# Allegro board FPGA-M1.brd (continued)
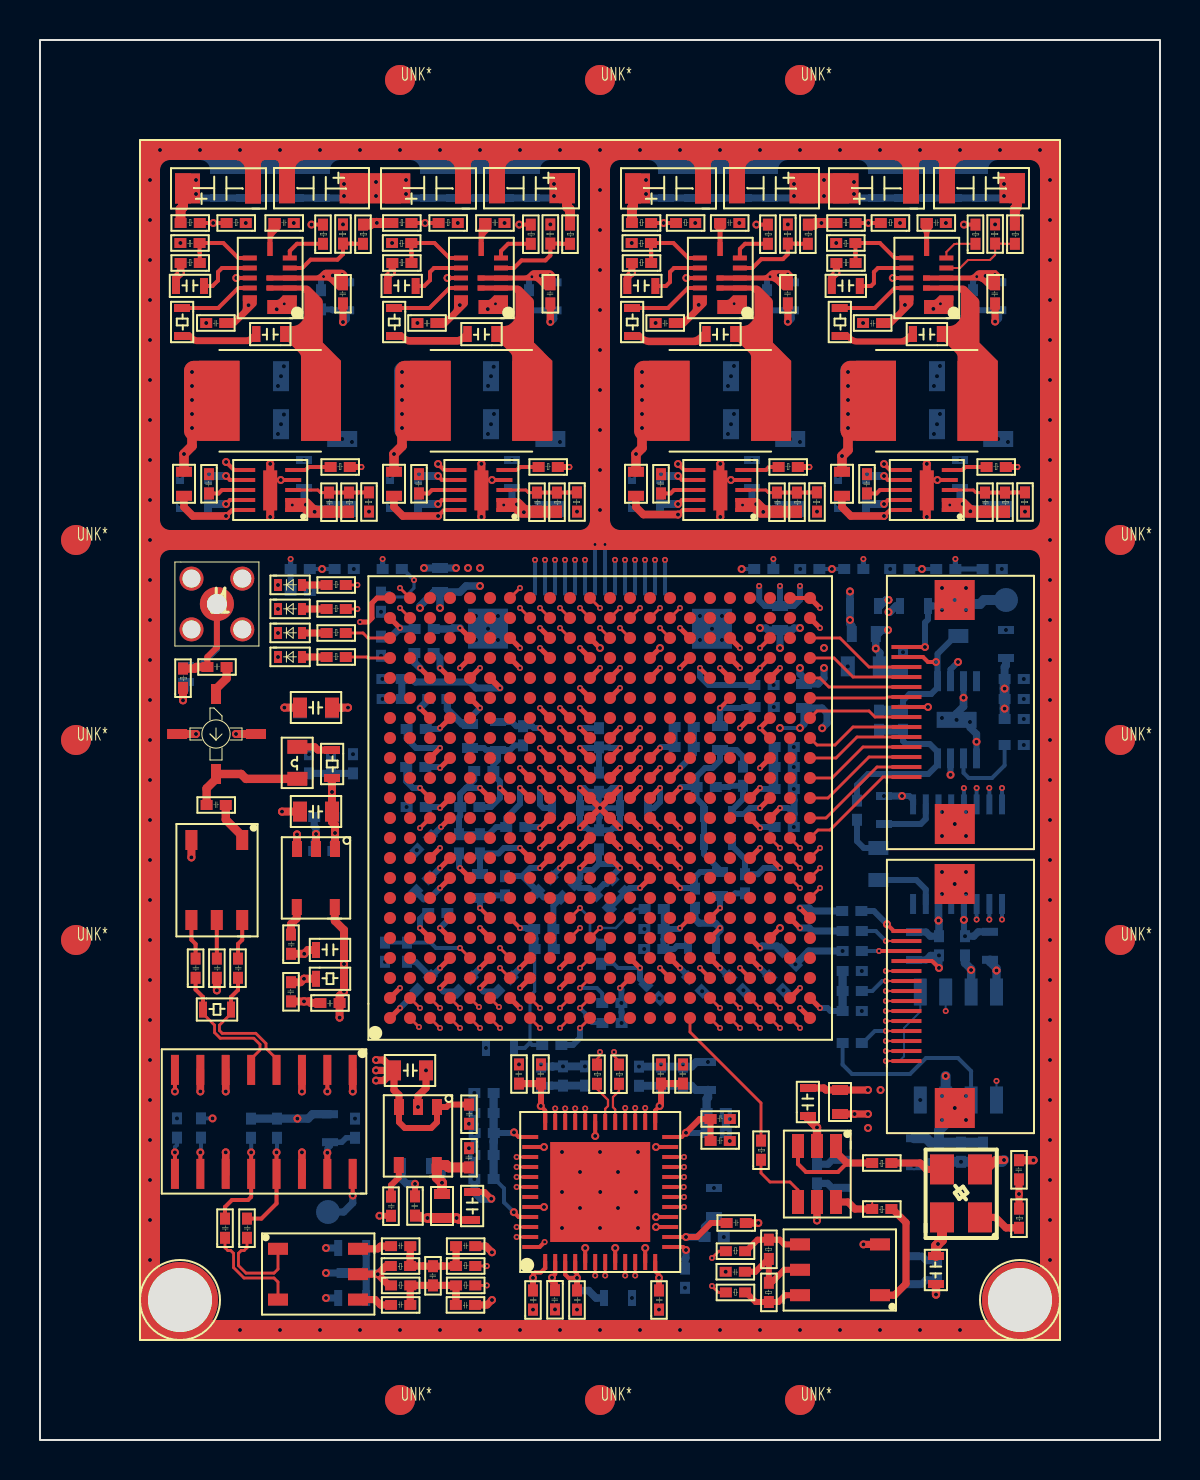
[diagram p0: board, top side]
## Routing (per net, layer and track width the routed paths; a pad name or vN(x,y) marks a point on that pad's centre or on a via; arc(x,y) is an arc through that point) (continued)
  BOTTOM w0.32: C148.1 C155.1 32.69,34.29 v2(32,33.6)
  BOTTOM w0.36: v4(37.77,23.78) 38.44,24.45 v4(40.13,24.45) ; C188.1 32.75,26.05 32.96,25.84 33.76,25.84 v2(34,25.6) 34,25.5 33.8,25.3 C198.1 ; C240.1 44.31,8.01 44.09,7.79 C241.1 ; C197.1 44.3,24 44.53,24.23 v4(44.95,24.23) v1(44.95,23.6) ; v2(19,36.6) 19.41,37.01 C142.1 ; C145.1 12.62,36.58 12.58,36.62 v1(12.22,36.62) ; C242.2 v1(14.3,8.35) ; C135.1 18.72,38.88 v2(19,38.6) ; v4(44.95,13.91) 44.44,13.91 44.22,13.69 v4(43.7,13.69) ; v4(37.69,34.65) v4(37.69,33.65) v4(37.69,32.55) 37.69,31.99 37.7,31.98 37.7,31.3 37.69,31.29 v4(37.69,30.65) ; v4(46.5,35.9) 46.5,35.63 46.83,35.3 v1(46.83,34.91) ; C180.1 13.71,29.91 13.8,30 v1(13.8,30.3) 13.8,30.6 13.71,30.69 C172.1 ; v1(38.85,15.63) C235.1 39.4,13.79 39.62,14.01 C234.1 ; v4(42.2,32.2) v1(43.1,32.2) ; v4(46.25,25.19) 46.69,25.19 46.91,25.41 C194.1 ; C245.2 v1(14.3,7.1) ; v2(38,26.6) 38.46,26.6 38.61,26.45 C190.1 ; C239.2 v1(14.3,9.6)
  BOTTOM w0.38: C97.1 15.31,56.05 v1(15.15,55.9) ; v1(47.76,55.92) 47.92,56.08 C96.1 ; v2(21,40.6) 20.65,40.6 20.6,40.55 C132.1 ; v1(46.18,37.11) 46.18,36.68 45.83,36.33 v4(45.83,36.01) ; v1(42.43,42) 42.3,42 42,41.7 C130.1 ; v1(37.39,55.92) 37.55,56.07 C98.1 ; C233.1 18.1,13.04 18.33,12.81 v1(18.75,12.81) ; 25.68,56.48 25.68,56.06 v1(25.52,55.91) ; R76.1 42.8,41.7 42.5,41.4 v1(42.43,41.4)
  BOTTOM w0.4: v4(33.4,18.9) 32.81,18.9 32.58,18.67 v4(32.15,18.67) v4(31.05,18.67) v4(29.95,18.67) ; v4(27.25,18.68) v4(26.15,18.68) 25.63,18.68 25.62,18.67 v4(25.05,18.67) ; v4(21.72,17.35) v4(21.72,16.35) 21.72,15.79 21.73,15.78 v4(21.73,15.35) 21.73,14.69 21.72,14.68 v4(21.72,14.25) v4(21.72,13.05) 21.72,12.4 22.06,12.06 v1(22.56,12.06) ; v4(34.29,15.35) v4(34.29,16.35)
  BOTTOM w0.5: v4(44.95,13.91) v4(46.05,13.91) v4(47.15,13.91) 48.11,13.91 v1(48.2,14)
  vias: v1(5.5,63) v1(5.5,61) v1(5.5,59) v1(5.5,57) v1(5.5,55) v1(5.5,53) v1(5.5,51) v1(5.5,49) v1(5.5,47) v1(5.5,45) v1(5.5,43) v1(5.5,41) v1(5.5,39) v1(5.5,37) v1(5.5,35) v1(5.5,33) v1(5.5,31) v1(5.5,29) v1(5.5,27) v1(5.5,25) v1(5.5,23) v1(5.5,21) v1(5.5,19) v1(5.5,17) v1(5.5,15) v1(5.5,13) v1(5.5,11) v1(5.5,9) v1(6,64.5) v1(8,64.5) v1(10,64.5) v1(10,5.5) v1(11.84,56.54) v1(12,64.5) v1(12,5.5) v1(14,64.5) v1(14,5.5) v1(16,64.5) v1(16,5.5) v1(18,64.5) v1(18,5.5) v1(20,64.5) v1(20,5.5) v1(22,64.5) v1(22,5.5) v1(22.39,56.54) v1(24,64.5) v1(24,5.5) v1(26,64.5) v1(26,5.5) v1(28,64.5) v1(28,62.5) v1(28,60.5) v1(28,58.5) v1(28,56.5) v1(28,54.5) v1(28,52.5) v1(28,50.5) v1(28,48.5) v1(28,46.5) v1(28,5.5) v1(30,64.5) v1(30,5.5) v1(32,64.5) v1(32,5.5) v1(34,64.5) v1(34,5.5) v1(36,64.5) v1(36,5.5) v1(38,64.5) v1(38,5.5) v1(40,64.5) v1(40,5.5) v1(42,64.5) v1(42,5.5) v1(44,64.5) v1(44,5.5) v1(44.67,56.56) v1(46,64.5) v1(46,5.5) v1(48,64.5) v1(50,64.5) v1(50.5,63) v1(50.5,61) v1(50.5,59) v1(50.5,57) v1(50.5,55) v1(50.5,53) v1(50.5,51) v1(50.5,49) v1(50.5,47) v1(50.5,45) v1(50.5,43) v1(50.5,41) v1(50.5,39) v1(50.5,37) v1(50.5,35) v1(50.5,33) v1(50.5,31) v1(50.5,29) v1(50.5,27) v1(50.5,25) v1(50.5,23) v1(50.5,21) v1(50.5,19) v1(50.5,17) v1(50.5,15) v1(50.5,13) v1(50.5,11) v1(50.5,9) v2(12.21,56.81) v2(22.77,56.81) v2(34.71,56.81) v2(45.02,56.81) v3(7.02,59.85) v3(8.31,55.85) v3(8.45,48.29) v3(10.29,60.85) v3(11.9,42.75) v3(11.9,41.55) v3(11.9,40.35) v3(11.9,39.15) v3(12.69,60.85) v3(15.15,60.78) v3(16.45,46.42) v3(17.6,59.85) v3(18.87,55.85) v3(18.95,48.29) v3(20.89,60.85) v3(21.45,15.81) v3(21.45,14.59) v3(23.23,60.85) v3(23.95,18.78) v3(24.65,6.52) v3(25.05,18.78) v3(25.52,60.78) v3(25.75,6.53) v3(26.1,14.4) v3(26.1,12.4) v3(26.1,10.6) v3(26.85,46.42) v3(26.85,6.52) v3(27,13.4) v3(27,11.6) v3(28,14.4) v3(28.01,12.4) v3(28,10.6) v3(28.9,13.4) v3(28.9,11.6) v3(29.59,59.85) v3(29.8,12.4) v3(29.9,14.4) v3(29.9,10.6) v3(30.78,55.85) v3(30.95,6.52) v3(31.05,48.29) v3(31.05,18.78) v3(32.15,18.78) v3(32.76,60.85) v3(34.28,8.41) v3(34.49,16.05) v3(34.49,14.95) v3(34.97,60.85) v3(37.39,60.78) v3(38.85,46.42) v3(39.81,59.85) v3(41.15,55.85) v3(41.35,48.29) v3(43,60.85) v3(45.1,42.6) v3(45.1,41.5) v3(45.1,31.4) v3(45.1,30.2) v3(45.1,28.4) v3(45.1,27.3) v3(45.1,17.2) v3(45.1,16) v3(45.29,60.85) v3(45.73,42) v3(45.74,30.8) v3(45.73,27.8) v3(45.74,16.6) v3(46.3,42.6) v3(46.3,41.5) v3(46.3,31.4) v3(46.3,30.2) v3(46.3,28.4) v3(46.3,27.3) v3(46.3,17.2) v3(46.3,16) v3(47.76,60.78) v3(49.25,46.42) v4(6.85,16.08) v4(7,48.2) v4(7,46.8) v4(11.9,52.7) v4(11.9,50.3) v4(12.05,53.19) v4(12.05,50.79) v4(12.19,53.68) v4(12.2,51.27) v4(13.2,49) v4(13.45,34.29) v4(13.49,42.45) v4(14.6,50.2) v4(14.55,34.29) v4(15.11,50.05) v4(15.6,49.9) v4(15.69,43.55) v4(15.65,34.29) v4(15.75,16.07) v4(17.05,41.41) v4(17.05,39.21) v4(17.12,38.05) v4(17.13,37.05) v4(17.25,23.91) v4(17.5,48.2) v4(18.33,31.65) v4(18.84,29.49) v4(21.8,41.2) v4(21.8,40) v4(22.3,19.6) v4(22.4,52.71) v4(22.4,50.3) v4(22.4,40.57) v4(22.55,53.19) v4(22.55,50.79) v4(22.68,53.66) v4(22.7,51.3) v4(22.9,41.2) v4(22.9,40) v4(23.6,49) v4(24.65,6.51) v4(25,50.2) v4(25.52,50.05) v4(26,49.9) v4(26.85,6.51) v4(29.6,48.2) v4(29.6,46.8) v4(29.6,7.1) v4(30.22,25.55) v4(30.21,24.55) v4(30.95,6.51) v4(30.97,22.08) v4(32.25,7.61) v4(33,41.2) v4(33,40) v4(33.11,22.44) v4(33.6,40.56) v4(33.7,12.6) v4(34.1,41.2) v4(34.1,40) v4(34.19,10.15) v4(34.4,52.7) v4(34.4,50.3) v4(34.55,53.19) v4(34.55,50.79) v4(34.7,53.7) v4(34.7,51.3) v4(35.17,22.48) v4(35.6,49) v4(36.68,37.75) v4(36.69,36.65) v4(37,50.2) v4(37.17,22.48) v4(37.51,50.05) v4(38,49.9) v4(38.01,43.55) v4(39.9,48.2) v4(39.9,46.8) v4(40.39,38.68) v4(41.09,23.45) v4(41.09,21.45) v4(42.51,43.55) v4(43.15,39.39) v4(44.02,17) v4(44.7,52.7) v4(44.7,50.3) v4(44.85,53.19) v4(44.85,50.79) v4(45,53.7) v4(45,51.3) v4(45.1,36.1) v4(46,49) v4(47.4,50.2) v4(47.91,50.05) v4(48.09,43.55) v4(48.3,40.5) v4(48.4,49.9) v4(49.19,38.05) v4(49.19,37.05) v4(49.19,36.05) v4(49.19,34.75) v5(17.5,46.8)
VBAT_IN: length 117.8
  TOP w0.5: C8.2 48.85,61.66 48.74,61.56 R20.2 ; R7.2 v1(39.07,60.85) 38.78,60.85 38.7,60.77 R17.2 ; R5.2 29.6,61.6 29.65,61.65 C5.2 ; C1.2 7.15,61.65 7.03,61.53 R1.2 ; R11.2 16.49,60.77 16.57,60.85 v1(16.84,60.85) 16.85,60.85 R3.2 ; C4.2 26.35,61.66 26.5,61.51 R14.2
  PWR-L6 w0.6: v1(15.2,62.8) v1(15.2,62.2) 15.2,60.4 14.64,59.84 v1(14.64,58.23) ; v1(15.2,62.8) 11.6,62.8 11.5,62.9 9.3,62.9 9.2,63 v1(7.8,63) ; v1(15.2,62.8) 16,62.8 16.1,62.9 v1(16.8,62.9) v1(16.8,62.2) 16.8,61.72 16.84,61.68 v1(16.84,60.85) ; v2(36.5,58.16) 36.87,58.16 v1(36.94,58.24) ; v1(30.3,63) 29.62,63 29.12,63.5 27,63.5 26.3,62.8 v1(25.7,62.8) ; v1(30.3,63) v1(30.3,62.3) ; v1(30.3,63) 34.9,63 35.1,62.8 v1(37.7,62.8) ; v1(39.2,63) v1(39.2,62.2) 39.2,61.72 39.07,61.59 v1(39.07,60.85) 38.45,60.85 36.94,59.34 v1(36.94,58.24) ; v1(39.2,63) 38.4,63 38.2,62.8 v1(37.7,62.8) ; v1(39.2,63) 40.12,63 40.22,62.9 v1(40.7,62.9) ; v2(15.11,58.28) 15.05,58.23 v1(14.64,58.23) ; v2(37.38,58.3) 37.33,58.24 v1(36.94,58.24) ; v1(47.28,58.21) 47.24,58.17 v2(46.84,58.17) ; v1(47.28,58.21) 47.68,58.21 v2(47.75,58.28) ; v1(47.28,58.21) 47.28,59.58 48.2,60.5 v1(48.2,62.2) v1(48.2,62.8) 44.2,62.8 44.1,62.9 v1(40.7,62.9) ; v1(18.3,62.3) v1(18.3,63) 21.8,63 22,62.8 v1(25.7,62.8) ; v1(37.7,62.8) v1(37.7,62.2) ; v1(25.04,58.22) 25.04,59.84 25.7,60.5 v1(25.7,62.2) v1(25.7,62.8) ; v1(25.04,58.22) 25.46,58.22 v2(25.51,58.27) ; v1(25.04,58.22) 24.98,58.16 v2(24.59,58.16) ; v1(14.64,58.23) 14.59,58.17 v2(14.18,58.17) ; v1(40.7,62.9) v1(40.7,62.3)
  PWR-L6 w0.7: v1(18.3,63) 17.6,63 17.5,62.9 v1(16.8,62.9) ; v1(7.8,63) v1(7.8,62.3)
  BOTTOM w0.3: v2(36.5,58.16) 36.35,58.01 C101.1 ; C103.1 14.05,58.04 v2(14.18,58.17) ; C102.1 24.45,58.02 v2(24.59,58.16) ; v2(46.84,58.17) 46.65,57.98 C100.1
  BOTTOM w0.36: v1(40.7,62.3) 40.9,62.1 C80.2 C79.2 C78.2 C77.2 C76.2 48.1,62.1 v1(48.2,62.2) ; v1(7.8,62.3) 8,62.1 C95.2 C94.2 C93.2 C92.2 C91.2 15.1,62.1 v1(15.2,62.2) ; v1(25.7,62.2) 25.6,62.1 C86.2 C87.2 C88.2 C89.2 C90.2 18.5,62.1 v1(18.3,62.3) ; v1(37.7,62.2) 37.6,62.1 C81.2 C82.2 C83.2 C84.2 C85.2 30.5,62.1 v1(30.3,62.3)
  BOTTOM w0.38: v1(36.94,58.24) 37.3,57.88 C98.2 ; v1(14.64,58.23) 14.98,57.89 C97.2 ; v1(25.04,58.22) 25.38,57.88 25.68,57.88 ; v1(47.28,58.21) 47.6,57.89 C96.2
VCCA_2V5: length 84.2
  TOP w0.2: U9.U18 v2(33,38.6) ; U9.T6 v2(32,25.6) ; 43.32,24.45 42.28,24.45 42.28,24.45 v2(41.95,24.45) ; U9.G6 v2(24,25.6)
  TOP w0.3: U9.F18 v2(23,37.6)
  PWR-L6 w0.3: v1(36,40.6) 33.9,40.6 32.8,39.5 32.7,39.5 ; v1(36,40.6) v1(37,39.6) v1(38,40.6) v1(36,40.6) ; 32.7,39.5 33,39.2 v2(33,38.6) ; 32.7,39.5 27.9,39.5 26,37.6 v2(23,37.6) 21.8,37.6 21.26,37.06 21.26,30.24 24,27.5 ; 24,27.5 v2(24,25.6) ; 24,27.5 28.1,27.5 30,25.6 v2(32,25.6) 32.9,24.7 34.5,24.7 35.2,25.4 36.7,25.4 37.65,24.45 v2(41.95,24.45)
  BOTTOM w0.16: 24.5,19.86 24.5,22.2 24.73,22.43 C200.2
  BOTTOM w0.2: C213.2 24.24,19.6 24.5,19.86 24.61,19.75 R87.1 ; C201.1 v2(41.95,24.45)
  BOTTOM w0.3: C198.2 31.85,24.7 31.7,24.55 C199.2 31.17,25.03 31.18,25.04 C192.1 ; R79.1 31.19,25.56 C192.1 ; v2(24,25.6) 24.3,25.6 24.35,25.55 C193.1 ; C192.1 31.95,25.55 v2(32,25.6) ; v2(33,38.6) 33,38.17 33.42,37.75 C140.1
  BOTTOM w0.36: v1(38,40.6) 37.7,40.6 37.6,40.5 L13.2 ; v1(36,40.6) 36.3,40.6 36.4,40.5 L13.2 ; L13.2 v1(37,39.6) ; C143.1 18.09,38.04 C139.2 18.62,38.05 18.77,37.9 21.5,37.9 21.8,37.6 v2(23,37.6)
  BOTTOM w0.4: C200.2 24.73,25.05 24.71,25.07 C193.1
VCCINT_1V2: length 119.4
  TOP w0.25: U9.R8 v2(32,27.6) ; v2(29,34.6) U9.M14 ; U9.N14 v2(30,34.6) ; U9.J11 v2(25,30.6) ; v2(31,33.6) U9.P13 ; U9.N9 v2(30,28.6) ; U9.M15 v2(29,35.6) ; U9.J14 v2(25,34.6) ; U9.P12 v2(31,32.6) ; v2(31,29.6) U9.P10 ; v2(24,29.6) U9.H9 ; v2(26,35.6) U9.K15 ; U9.J10 v2(25,29.6) ; v2(32,32.6) U9.R12 ; U9.R10 v2(32,29.6) ; U9.P9 v2(31,28.6) ; U9.L14 v2(27,34.6) ; U9.J13 v2(25,33.6) ; v2(23,32.6) U9.G12 ; U9.P14 v2(31,34.6) ; v2(26,34.6) U9.K14 ; v2(25,36.6) U9.J16 ; U9.M9 v2(29,28.6) ; U9.L16 v2(27,36.6) ; v2(25,32.6) U9.J12 ; v2(26,28.6) U9.K9 ; U9.L9 v2(27,28.6) ; U9.P11 v2(31,30.6)
  PWR-L6 w0.38: v2(31,28.6) v2(32,27.6) ; v2(31,28.6) v2(31,29.6) ; v2(31,28.6) v2(30,28.6) v2(29,28.6) v2(27,28.6) v2(26,28.6) v2(25,29.6) ; v2(31,32.6) v2(31,30.6) v2(31,29.6) ; v2(31,32.6) v2(32,32.6) ; v2(31,32.6) v2(31,33.6) v2(31,34.6) ; v2(29,34.6) v2(29,35.6) ; v2(29,34.6) v2(27,34.6) v2(26,34.6) ; v2(29,34.6) v2(30,34.6) ; v2(29,35.6) 28,36.6 v2(27,36.6) v2(26,35.6) ; v2(29,35.6) v2(30,34.6) ; v2(31,29.6) v2(32,29.6) ; v2(25,29.6) v2(25,30.6) v2(25,32.6) v2(25,33.6) v2(25,34.6) v2(26,34.6) ; v2(25,29.6) v2(24,29.6) 23,30.6 v2(23,32.6) 23,35.9 23.7,36.6 v2(25,36.6) v2(26,35.6) ; v2(31,34.6) 31.5,35.1 33.4,35.1 35.3,37 37.3,37 38,36.3 v1(38,35.6) ; v2(31,34.6) v2(30,34.6) ; v2(26,34.6) v2(26,35.6) ; v1(38,35.6) 38.52,35.6 38.53,35.59 v1(39.11,35.59) ; v1(38,35.6) v1(37,35.6)
  BOTTOM w0.2: v1(38,35.6) v1(37,35.6)
  BOTTOM w0.3: C152.2 27.92,34.6 v2(27,34.6) ; C152.2 C163.2 ; C152.2 28.48,34.63 28.51,34.6 v2(29,34.6) ; v2(32,32.6) 32.05,32.65 C164.2 ; v2(31,32.6) 31,31.9 30.7,31.6 C168.2 ; C174.2 24.95,30.65 v2(25,30.6) ; 27.01,28.59 27.01,28.1 26.76,27.85 C187.2 26.97,27.6 27.45,27.6 C189.2 27.79,27.39 28.2,27.8 28.33,27.8 C185.2 28.59,28.19 v2(29,28.6) 28.8,28.8 27.95,28.8 ; 27.01,28.59 v2(27,28.6) ; 27.01,28.59 27.1,28.5 27.65,28.5 27.95,28.8 ; C175.2 27.95,28.8 ; C166.2 22.55,31.65 23,32.1 v2(23,32.6) 23,32.93 22.67,33.26 C161.2 22.67,33.77 22.9,34 C151.2 ; L16.2 22.2,34.6 22.3,34.5 C151.2 ; C151.2 23.5,34.5 23.73,34.73 C150.2 ; C162.2 35.15,34.17 34.82,34.5 L17.2 34,33.97 33.63,33.6 33.25,33.6 32.83,33.18 C164.2 ; v2(26,28.6) 25.56,28.16 C183.2 ; v2(31,34.6) 31.05,34.65 C155.2 C148.2 ; C164.2 32.83,32.07 33.2,31.7 C171.2 C176.2 33.2,29.3 34,28.5 L18.2 33,28.4 32.75,28.15 C188.2 32.72,27.6 v2(32,27.6) ; v2(24,29.6) 23.2,29.6 22.93,29.33 C178.2 22,29.33 L19.2 ; C169.2 25.17,31.6 25,31.77 v2(25,32.6)
  BOTTOM w0.36: v1(38,35.6) 38.2,35.8 L15.1 39.1,36.6 39.35,36.35 39.35,35.84 v1(39.11,35.59)
VCCIO_3V3: length 309.7
  TOP w0.2: U14.25 30.76,16.48 v1(30.98,16.7) ; U14.36 25.26,16.48 v1(25.04,16.7) ; v1(42.35,25.79) 42.69,25.45 43.32,25.45 ; U14.37 23.93,15.15 v1(23.7,15.38) ; U9.Y19 v2(36,38.6) ; U14.24 32.09,15.15 v1(32.3,15.36) ; v1(23.69,11.39) 23.93,11.15 U14.45
  TOP w0.25: v2(20,28.6) U9.D9 ; v2(26,23.6) U9.K4 ; U9.J20 v2(25,40.6) ; v2(36,32.6) U9.W12 ; U9.W16 v2(35,35.6) ; U9.E8 v2(21,28.6) ; U9.V19 v2(35,38.6) ; U9.T19 v2(32,38.6) ; U9.D12 v2(20,31.6) ; U9.D16 v2(20,35.6) ; U9.R4 v2(32,23.6) ; v2(31,38.6) U9.P18 ; v2(36,23.6) U9.W4 ; v2(27,39.6) U9.L19 ; U9.G19 v2(24,38.6) ; U9.D4 v2(20,23.6) ; v2(20,33.6) U9.D14 ; v2(36,38.6) U9.W18 ; U9.E19 v2(21,38.6) ; U9.H4 v2(24,23.6) ; U9.A2 v2(18,22.6) ; U9.W9 v2(36,29.6) ; v2(18,40.6) U9.A21 ; U9.AB2 v2(39,21.6) ; U9.W5 v2(36,24.6) ; U9.AB21 v2(39,40.6) ; v2(20,38.6) U9.D18 ; U9.D5 v2(20,25.6) ; U9.AA6 v2(38,25.6) ; U9.W11 v2(36,30.6) ; U9.Y14 v2(36,33.6) ; U9.N4 v2(30,23.6) ; U9.U4 v2(34,23.6) ; U9.D11 v2(20.05,30.65) ; v2(22,23.6) U9.F4
  TOP w0.3: v1(30.98,16.7) 31.05,16.77 C51.2 ; v1(32.3,15.36) 32.99,16.05 C55.2 C56.2 ; v1(25.04,16.7) 25.05,16.71 C50.2
  TOP w0.36: v1(41.4,17.5) L10.1 39.29,17.5 39.19,17.6 C53.2 ; C49.2 C50.2 ; C52.2 C51.2
  PWR-L6 w0.3: 17.13,39.8 17.43,39.5 19.7,39.5 20,39.2 v2(20,38.6) v2(21,38.6) ; 17.13,39.8 17.13,36.1 ; 17.13,39.8 17.13,41 ; v2(20,25.6) 20,26.4 19.6,26.8 18.7,26.8 18.2,27.3 ; 46.55,22.2 46.55,19.47 v1(45.28,18.2) 44.59,17.5 v1(42.03,17.5) ; 46.55,22.2 v1(47.83,23.48) ; 46.55,22.2 v1(46.55,23.5) 46.55,24.15 45.9,24.8 44.1,24.8 43.11,25.79 v1(42.35,25.79) ; v2(36,23.6) 38.2,23.6 39,22.8 v2(39,21.6) ; v2(36,23.6) v2(36,24.6) ; v2(36,23.6) 36,23.1 35.7,22.8 34,22.8 ; v1(42.35,25.79) 42.35,27.55 39.3,30.6 38.3,30.6 ; v1(42.35,25.79) 38.62,25.79 38.43,25.6 v2(38,25.6) ; 22.7,40.6 v2(25,40.6) 26,39.6 v2(27,39.6) ; 22.7,40.6 21.7,41.6 ; 22.7,40.6 22.8,40.5 22.8,39.2 23.4,38.6 v2(24,38.6) ; v2(45.77,44.05) 45.22,44.6 42.6,44.6 42.05,44.05 v2(41.17,44.05) 40.87,43.75 40.75,43.75 39.6,42.6 38.9,42.6 38.07,41.77 ; v1(32.3,15.36) 31.76,15.9 ; 31.76,15.9 33.36,17.5 v1(41.4,17.5) ; 31.76,15.9 31,15.9 ; 33.3,42.7 25.1,42.7 24.5,43.3 23.3,43.3 22.7,42.7 v1(22,42.7) 22,41.9 21.7,41.6 ; 33.3,42.7 33.3,44.1 33.8,44.6 36.12,44.6 v2(36.67,44.05) ; 33.3,42.7 33.3,42.3 33.83,41.77 38.07,41.77 ; v2(18,22.6) 18,23.03 18.2,23.23 18.2,24.8 ; 18.2,24.8 18.2,27.3 ; 18.2,24.8 18.8,24.8 v2(20,23.6) v2(22,23.6) 22.8,22.8 23.2,22.8 v2(24,23.6) v2(26,23.6) 26.5,23.1 27.8,23.1 28.3,23.6 v2(30,23.6) 30,23.17 30.37,22.8 32,22.8 ; 18.2,27.3 18.2,29.3 ; 38.07,41.77 38.07,41.53 v2(39,40.6) 39.7,40.6 40.4,39.9 40.4,38.4 39.9,37.9 36.7,37.9 v2(36,38.6) v2(35,38.6) 34.4,38 32.6,38 v2(32,38.6) v2(31,38.6) ; v1(23.69,11.39) 24.5,12.2 24.5,15.26 ; 24.5,15.26 24.38,15.38 v1(23.7,15.38) ; 24.5,15.26 25.04,15.8 ; v2(21,28.6) v2(20,28.6) 18.9,28.6 18.2,29.3 ; 17.13,36.1 17.63,35.6 v2(20,35.6) ; 17.13,36.1 17.13,34.2 ; 25.04,15.8 25.14,15.9 31,15.9 ; 25.04,15.8 v1(25.04,16.7) ; v1(30.98,16.7) 31,16.68 31,15.9 ; 18.2,29.3 18.2,31.4 18,31.6 ; 38.3,30.6 38.3,31.8 37.5,32.6 v2(36,32.6) v2(36,33.6) ; 38.3,30.6 v2(36,30.6) v2(36,29.6) ; 32,22.8 34,22.8 ; 32,22.8 v2(32,23.6) ; 34,22.8 v2(34,23.6) ; 18,31.6 17.13,32.47 17.13,34.2 ; 18,31.6 v2(20,31.6) 20,31.17 20.05,31.12 v2(20.05,30.65) ; 17.13,34.2 17.73,33.6 v2(20,33.6) ; 21.7,41.6 v1(20,41.6) v1(19,41.6) 19,41 18.6,40.6 v2(18,40.6) 17.53,40.6 17.13,41 ; 17.13,41 v2(17.13,44.05) 16.58,44.6 13.9,44.6 13.35,44.05 v2(12.53,44.05)
  PWR-L6 w0.36: v1(41.4,17.5) v1(42.03,17.5)
  PWR-L6 w0.38: v2(35,35.6) 35,34.6 v2(36,33.6)
  BOTTOM w0.2: R82.1 28.69,23.81 28.9,23.6 v2(30,23.6) ; v1(23.69,11.39) 23.2,11.88 23.2,12.58 22.73,13.05 C236.2
  BOTTOM w0.26: v2(45.77,44.05) R67.2 C128.2 ; R71.2 v2(36.67,44.05) ; R69.2 v2(41.17,44.05) ; R72.2 v2(17.13,44.05) ; R74.2 v2(12.53,44.05)
  BOTTOM w0.3: C205.2 36.44,23.16 v2(36,23.6) ; C129.2 R74.2 ; v2(36,30.6) 36.05,30.65 C173.2 ; C210.2 21.56,23.16 v2(22,23.6) ; C167.1 19.95,31.65 v2(20,31.6) ; v1(32.3,15.36) 32.31,15.35 C226.2 ; v2(30,23.6) 30,23.05 C211.2 ; C208.1 32.43,23.17 v2(32,23.6) ; C149.1 19.95,35.55 v2(20,35.6) ; C216.1 31.05,16.77 v1(30.98,16.7) ; v2(20,23.6) 19.57,23.17 C207.1 18.78,23.91 R81.1 ; v1(25.04,16.7) 25.05,16.71 C220.1 ; v2(20.05,30.65) 19.57,30.17 C177.1 ; C227.1 23.67,15.35 v1(23.7,15.38) ; C206.2 34.44,23.16 v2(34,23.6) ; v1(42.35,25.79) 41.69,26.45 C190.2 ; C165.2 36.05,32.55 v2(36,32.6) ; v2(24,23.6) 23.56,23.16 C209.2 ; v2(20,25.6) 20.37,25.97 C191.2 ; C184.2 19.51,28.11 v2(20,28.6) ; v2(21,28.6) 20.95,28.65 C179.2 ; v2(20,33.6) 19.95,33.65 C160.2 ; C212.2 39.53,21.45 39.38,21.6 v2(39,21.6)
  BOTTOM w0.36: C165.2 C159.2 C154.2 ; v2(20,38.6) 20,39.1 19.75,39.35 C135.2 ; C203.2 36.85,24.7 36.1,24.7 v2(36,24.6) ; v2(38,25.6) 38.46,25.6 38.61,25.45 R80.2 ; C132.2 18.05,40.55 v2(18,40.6) 17.57,40.17 C134.2
  BOTTOM w0.38: L12.2 19.7,42.4 19,41.7 v1(19,41.6) ; L12.2 v1(20,41.6) ; L12.2 21,42.4 21.3,42.7 v1(22,42.7)
  BOTTOM w0.4: C214.2 32.79,17.5 32.58,17.71 C215.1 C216.1 C217.1 ; C220.1 25.58,17.71 25.59,17.72 C219.2 C218.2
  BOTTOM w0.42: C212.2 R83.2 C204.2 ; U17.8 v1(47.83,23.48) 47.83,23.58 47.5,23.9 C194.2 ; U17.7 v1(46.55,23.5) 46.55,23.55 46.25,23.85 C195.2 ; C236.2 C232.2 22.68,14.91 22.69,14.92 C227.1 22.68,15.36 C223.2 C221.2 ; C214.2 33.4,17.12 33.33,17.05 C222.2 C226.2
  BOTTOM w0.5: C228.2 C229.2 C230.2 ; v1(45.28,18.2) 45.28,15.81 44.95,15.48 C230.2 ; C230.2 44.53,14.87 44.31,15.09 C231.2
A_DEMP: length 13.1
  TOP w0.14: U9.Y10 v2(37,29.6)
  SIGNAL-L8 w0.14: v2(37,29.6) 37.5,30.1 45.6,30.1 46.2,30.7 v2(46.2,32.59)
  BOTTOM w0.2: U16.13 v2(46.2,32.59)
A_FMT: length 14.1
  TOP w0.14: U9.AA10 v2(38,29.6)
  SIGNAL-L8 w0.14: v2(47.47,32.6) 47.47,30.06 46.5,29.1 38.5,29.1 v2(38,29.6)
  BOTTOM w0.2: U16.15 v2(47.47,32.6)
A_MUTE: length 11.9
  TOP w0.14: U9.AB9 v2(39,29.6)
  SIGNAL-L8 w0.14: v2(46.83,32.6) 46.83,30.43 46,29.6 v2(39,29.6)
  BOTTOM w0.2: U16.14 v2(46.83,32.6)
AD0: length 15.6
  TOP w0.14: U14.18 v2(32.2,12.15) ; U9.Y2 v2(37,21.6)
  SIGNAL-L3 w0.14: v2(37,21.6) 37.5,21.1 37.5,13.4 36.25,12.15 v2(32.2,12.15)
AD1: length 14.6
  TOP w0.14: U14.19 v2(32.19,12.65) ; v2(37,20.6) U9.Y1
  SIGNAL-L3 w0.14: v2(37,20.6) 37,14.2 36.67,13.87 36.48,13.87 36.07,14.28 35.88,14.28 35.68,14.08 35.68,13.88 36.08,13.48 36.08,13.28 35.45,12.65 v2(32.19,12.65)
AD2: length 15
  TOP w0.14: U14.20 v2(32.2,13.15) ; U9.W2 v2(36,21.6)
  SIGNAL-L3 w0.14: v2(36,21.6) 36.5,21.1 36.5,17.1 35.68,16.28 35.68,16.08 36.33,15.43 36.33,15.23 36.14,15.04 35.94,15.04 35.29,15.69 35.09,15.69 34.8,15.4 34.8,13.9 34.05,13.15 v2(32.2,13.15)
AD3: length 15.6
  TOP w0.14: v2(36,20.6) U9.W1 ; U14.21 v2(32.2,13.65)
  SIGNAL-L3 w0.14: v2(32.2,13.65) 33.25,13.65 33.8,14.2 33.8,15.8 32.5,17.1 32.5,17.66 32.64,17.8 33.11,17.8 33.25,17.66 33.25,17.24 33.39,17.1 33.67,17.1 33.81,17.24 33.81,17.76 33.95,17.9 34.23,17.9 34.37,17.76 34.37,17.24 34.51,17.1 34.79,17.1 34.93,17.24 34.93,17.76 35.07,17.9 35.4,17.9 36,18.5 v2(36,20.6)
AD4: length 15.2
  TOP w0.14: U9.V2 v2(35,21.6) ; U14.22 v2(32.2,14.15)
  SIGNAL-L3 w0.14: v2(35,21.6) 35.5,21.1 35.5,18.9 35,18.4 32.3,18.4 31.9,18.8 31.3,18.8 31,18.5 31,17.7 33.1,15.6 33.1,14.5 32.75,14.15 v2(32.2,14.15)
AD5: length 14.8
  TOP w0.14: U14.26 v2(30.26,16.6) ; U9.V1 v2(35,20.6)
  SIGNAL-L3 w0.14: v2(30.26,16.6) 30.26,20.56 30.7,21 30.7,21.7 30.9,21.9 31.7,21.9 32,21.6 32,19.7 32.8,18.9 34.5,18.9 35,19.4 v2(35,20.6)
AD6: length 16.1
  TOP w0.14: U9.U2 v2(34,21.6) ; U14.27 v2(29.76,16.6)
  SIGNAL-L3 w0.14: v2(34,21.6) 34.5,21.1 34.5,19.9 34.1,19.5 33.2,19.5 32.7,20 32.7,21.86 32.06,22.5 30.4,22.5 30.1,22.2 30.1,21.6 29.76,21.26 v2(29.76,16.6)
AD7: length 15.6
  TOP w0.14: U14.28 v2(29.26,16.6) ; U9.U1 v2(34,20.6)
  SIGNAL-L3 w0.14: v2(29.26,16.6) 29.26,21.76 29.5,22 29.5,22.7 29.9,23.1 33.1,23.1 33.4,22.8 33.4,20.2 33.6,20 33.8,20 34,20.2 v2(34,20.6)
AD8: length 16.5
  TOP w0.14: U9.H2 v2(25,21.6) ; U14.32 v2(27.26,16.58)
  SIGNAL-L3 w0.14: v2(27.26,16.58) 27.26,16.96 27.5,17.2 28.46,17.2 28.7,17.44 28.7,18.6 28.4,18.9 27.2,18.9 26.5,19.6 26.5,23.9 26.1,24.3 25,24.3 24.6,23.9 24.6,23.3 25.4,22.5 25.4,22 v2(25,21.6)
AD9: length 14.7
  TOP w0.14: U14.33 v2(26.76,16.58) ; U9.H1 v2(25,20.6)
  SIGNAL-L3 w0.14: v2(25,20.6) 25,20.14 24.76,19.9 24.24,19.9 24.1,19.76 24.1,19 23.1,18 23.1,17.8 23.3,17.6 23.5,17.6 24.4,18.5 24.96,18.5 25.1,18.64 25.1,19.11 25.34,19.35 25.79,19.35 26.9,18.23 28.06,18.23 28.2,18.09 28.2,17.81 28.06,17.67 27.07,17.67 26.76,17.36 v2(26.76,16.58)
AD10: length 14.9
  TOP w0.14: U9.F2 v2(22.95,21.65) ; U14.34 v2(26.26,16.58)
  SIGNAL-L3 w0.14: v2(22.95,21.65) 23.1,21.5 23.1,21.2 23,21.1 22.54,21.1 22.4,21.24 22.4,22.1 22.6,22.3 23.3,22.3 23.5,22.1 23.5,19.2 22.6,18.3 22.6,17.6 23.1,17.1 23.7,17.1 24.5,17.9 25.9,17.9 26.26,17.54 v2(26.26,16.58)
AD11: length 15
  TOP w0.14: U14.35 v2(25.76,16.58) ; U9.F1 v2(23,20.6)
  SIGNAL-L3 w0.14: v2(25.76,16.58) 25.76,17.04 25.4,17.4 24.8,17.4 23.82,16.42 23.62,16.42 23.5,16.55 23.3,16.55 23.16,16.41 23.16,16.09 23.23,16.03 23.23,15.83 23,15.6 21.64,15.6 21.5,15.74 21.5,16.16 21.64,16.3 22.36,16.3 22.5,16.44 22.5,16.8 22.13,17.17 21.84,17.17 21.7,17.3 21.7,17.5 22.05,17.85 22.05,18.05 21.9,18.2 21.74,18.2 21.6,18.34 21.6,18.54 22.27,19.2 22.55,19.2 23,19.65 v2(23,20.6)
AD12: length 14.7
  TOP w0.14: U9.E1 v2(22,20.6) ; U14.39 v2(23.83,14.15)
  SIGNAL-L3 w0.14: v2(22,20.6) 22,20 21.05,19.05 21.05,18.85 21.15,18.75 21.15,18.55 20.95,18.35 20.76,18.35 20.65,18.46 20.46,18.46 20.1,18.1 20.1,17.83 20.24,17.69 21.06,17.69 21.2,17.55 21.2,17.27 21.06,17.13 20.24,17.13 20.1,16.99 20.1,16.2 22.15,14.15 22.56,14.15 22.7,14.29 22.7,14.7 22.9,14.9 23.18,14.9 23.32,14.76 23.32,14.29 23.46,14.15 v2(23.83,14.15)
AD13: length 14.9
  TOP w0.14: U9.D2 v2(21,21.6) ; U14.40 v2(23.83,13.65)
  SIGNAL-L3 w0.14: v2(23.83,13.65) 21.75,13.65 19.2,16.2 18.9,16.2 18.8,16.3 18.8,16.76 18.94,16.9 19.36,16.9 19.5,17.04 19.5,17.4 19.4,17.5 19.2,17.5 19,17.7 19,17.9 21.5,20.4 21.5,21.1 v2(21,21.6)
AD14: length 14.6
  TOP w0.14: U9.C2 v2(20,21.6) ; U14.41 v2(23.83,13.15)
  SIGNAL-L3 w0.14: v2(23.83,13.15) 21.35,13.15 18.3,16.2 18.3,18.1 20.4,20.2 20.4,21.2 v2(20,21.6)
AD15: length 14.7
  TOP w0.14: U14.42 v2(23.83,12.65) ; U9.C1 v2(20,20.6)
  SIGNAL-L3 w0.14: v2(20,20.6) 19.1,19.7 18.6,19.7 18.35,19.45 18.35,19.15 18.35,19.15 18.35,18.95 17.8,18.4 17.8,15.9 21.05,12.65 v2(23.83,12.65)
AD_CLKN: length 14.7
  TOP w0.109: R54.2 28.95,18.95 28.7,19.2 v2(28.7,19.4)
  TOP w0.14: U9.G3 v2(23,23.6)
  SIGNAL-L3 w0.109: v2(28.7,19.4) 28.55,19.55 28.55,23.15 26.7,25 23.85,25 23.45,25.4 22.7,25.4 22,24.7 22,24.3 22.32,23.98 22.62,23.98 v2(23,23.6)
AD_CLKP: length 13.5
  TOP w0.109: R53.2 27.85,19.05 28,19.2 v2(28,19.4)
  TOP w0.14: v2(23,24.6) U9.G4
  SIGNAL-L3 w0.109: v2(23,24.6) 22.62,24.22 22.43,24.22 22.25,24.4 22.25,24.6 22.8,25.15 23.35,25.15 23.75,24.75 26.6,24.75 28.3,23.05 28.3,19.7 v2(28,19.4)
AD_DITH: length 15.6
  TOP w0.14: U14.17 v2(32.2,11.65) ; U9.AA1 v2(38,20.6)
  SIGNAL-L3 w0.14: v2(32.2,11.65) 36.65,11.65 38.25,13.25 38.25,20.35 v2(38,20.6)
AD_PGA: length 14.5
  TOP w0.14: v2(18.95,20.65) U9.B1 ; U14.47 v2(23.83,10.15)
  SIGNAL-L4 w0.14: v2(18.95,20.65) 18.95,19.15 21,17.1 21,11.9 22.75,10.15 v2(23.83,10.15)
AD_RAND: length 14.8
  TOP w0.14: U14.46 v2(23.83,10.65) ; U9.B2 v2(19,21.6)
  SIGNAL-L4 w0.14: v2(23.83,10.65) 23.05,10.65 21.7,12 21.7,17.8 19.5,20 19.5,21.1 v2(19,21.6)
ADC_3V3: length 39
  TOP w0.2: U14.1 25.26,8.6 25.03,8.37 24.75,8.37 24.65,8.27 v1(24.65,8.11) ; U14.13 32.15,9.65 v1(32.3,9.5) ; U14.12 30.76,8.44 30.95,8.25 v1(30.95,8.11) ; U14.3 26.26,8.27 26.42,8.11 v1(26.85,8.11) 26.85,8.31 26.76,8.4 U14.4 ; U14.14 v1(32.3,10.15)
  TOP w0.3: C73.2 v1(30.95,8.11) ; C72.2 v1(26.85,8.11) ; C70.2 v1(24.65,8.11) ; C62.2 33.55,10.85 32.85,10.15 v1(32.3,10.15)
  TOP w0.38: v1(19.37,11.1) 19.1,11.1 18.98,11.22 C60.2 ; C61.2 20.93,11 v1(20.83,11.1)
  TOP w0.5: v1(19.37,11.1) L11.2 v1(20.83,11.1)
  PWR-L6 w0.3: v1(19.37,11.1) v1(20.83,11.1)
  PWR-L6 w0.36: v1(24.65,8.11) 24.3,8.46 24.3,8.9 ; 24.3,8.9 26.5,8.9 ; 24.3,8.9 23.66,8.9 23.3,9.26 23.3,9.7 22.7,10.3 21,10.3 20.83,10.47 v1(20.83,11.1) ; 26.5,8.9 30.2,8.9 ; 26.5,8.9 26.5,8.46 v1(26.85,8.11) ; 30.2,8.9 31.3,8.9 31.55,9.15 ; 30.2,8.9 30.2,8.86 v1(30.95,8.11) ; 31.55,9.15 31.57,9.14 31.94,9.14 v1(32.3,9.5) ; 31.55,9.15 31.55,10.15 31.6,10.2 32.25,10.2 v1(32.3,10.15)
  BOTTOM w0.3: C246.2 v1(30.95,8.11) ; C248.2 v1(24.65,8.11) ; C247.2 v1(26.85,8.11)
  BOTTOM w0.36: C238.2 v1(32.3,10.15) ; v1(32.3,9.5) 32.3,9.1 32.25,9.05 C243.2
  BOTTOM w0.38: C238.2 33.23,10.65 33.7,11.12 C237.2 ; C244.2 27.8,7.1 27.43,7.47 C247.2
AIN+: length 8.3
  TOP w0.14: v2(27.76,8.22) U14.6 ; R62.1 22.2,8.7 v2(22.34,8.7)
  SIGNAL-L3 w0.14: v2(27.76,8.22) 27.76,8.02 27.9,7.88 27.9,7.5 27.7,7.3 24.1,7.3 23.06,8.34 22.7,8.34 v2(22.34,8.7)
